# Altium PCB ControlBoard.PcbDoc (part 2 of 3) (continued)
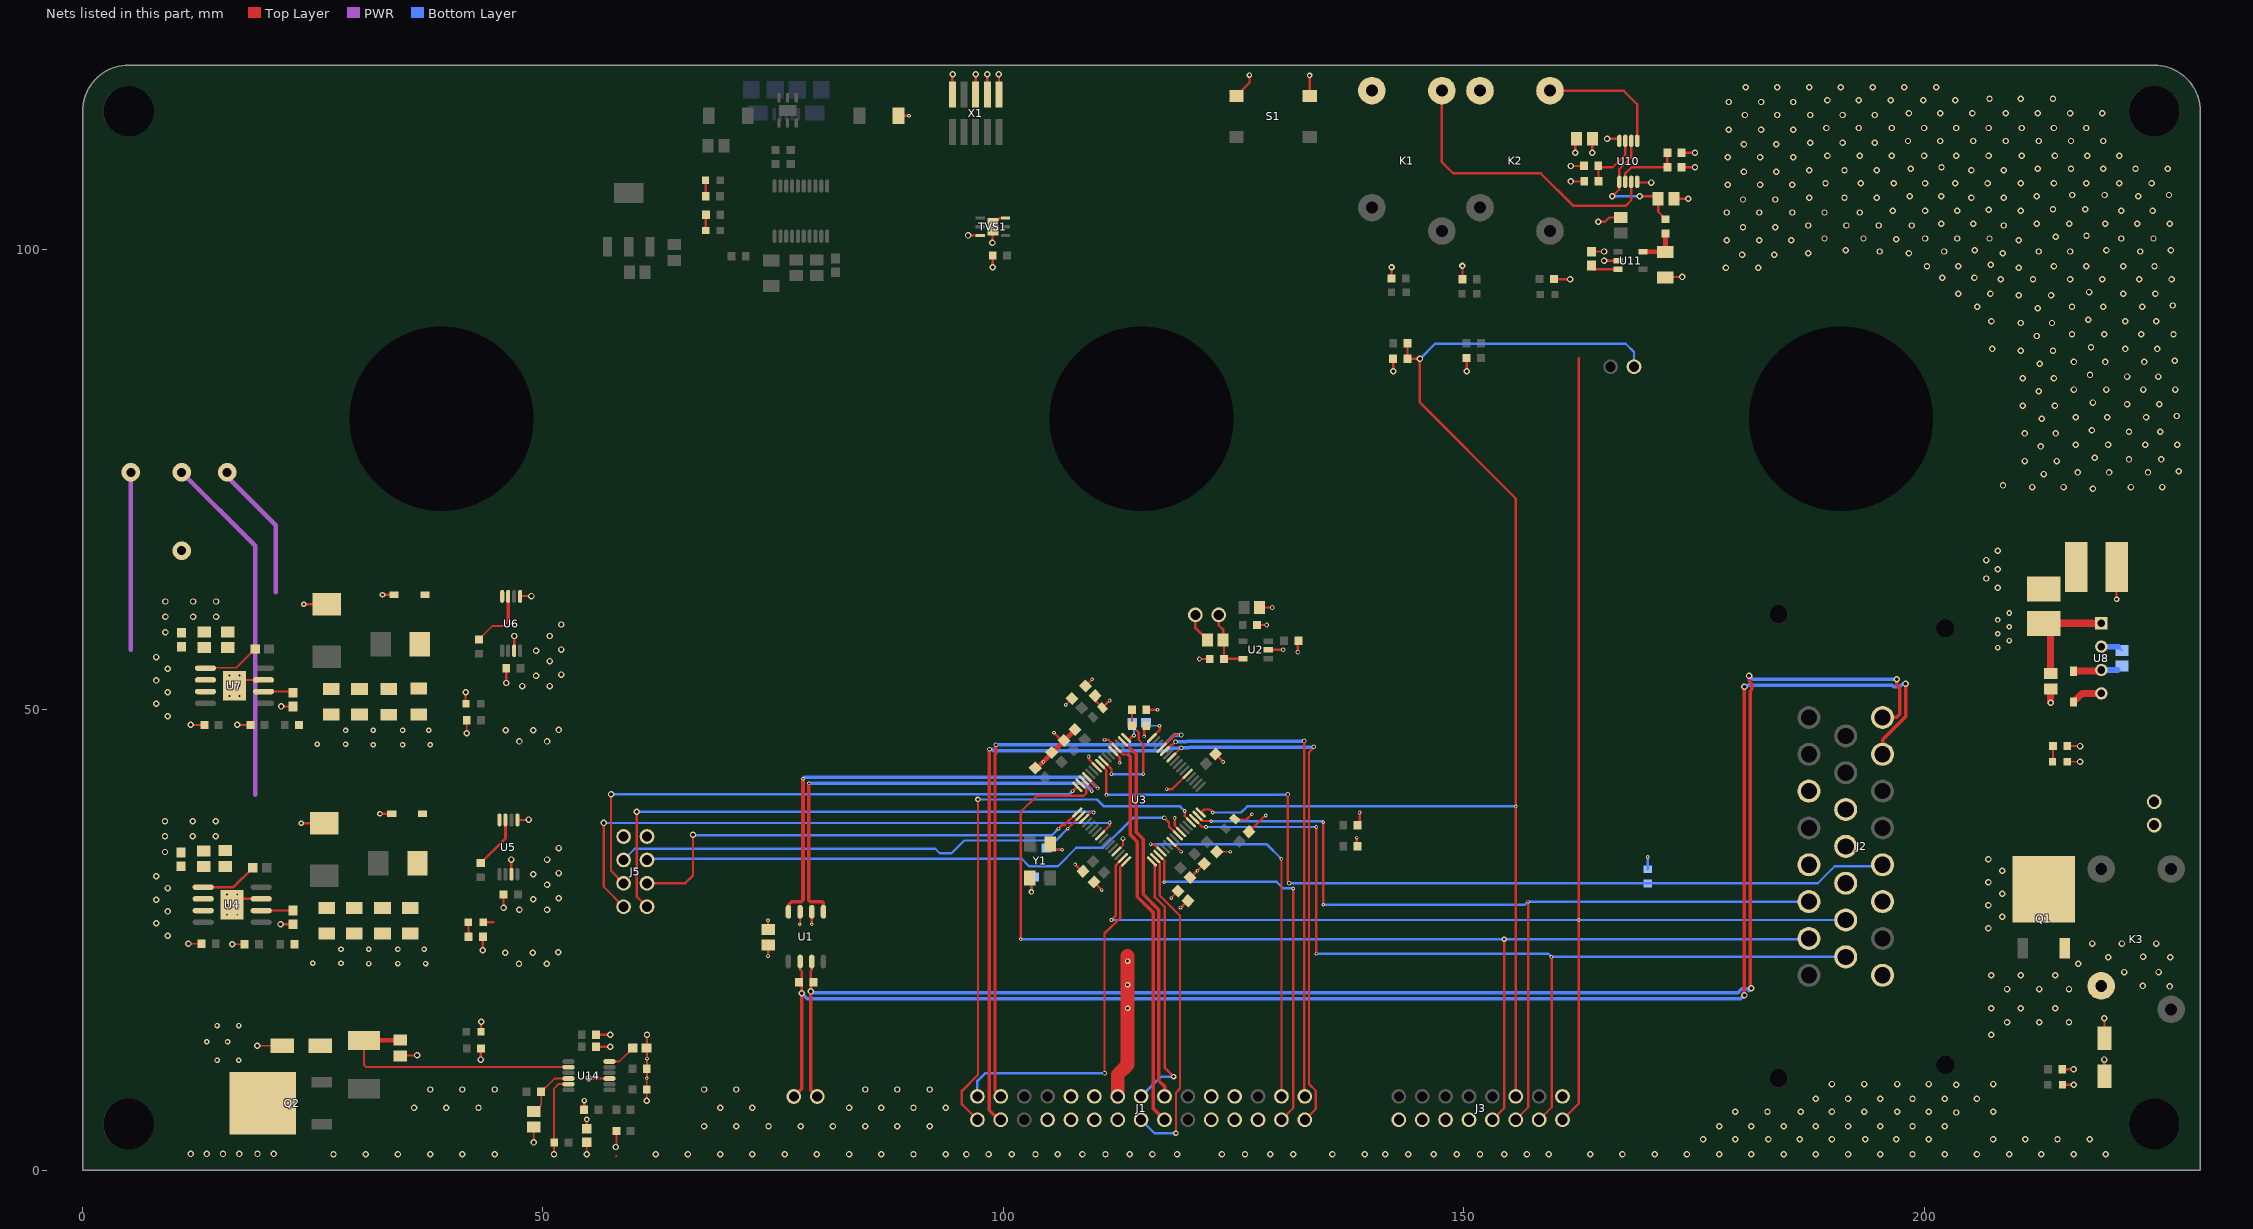
[diagram p4: the nets of this part, all layers, seen from the top]
## Part data (continued)
U13: library part FT231XS-R, "IC USB SERIAL FULL UART 20SSOP", Case/Package=SSOP, Manufacturer=FTDI, Max Operating Temperature=85°C, Max Supply Voltage=5.5V, Min Operating Temperature=-40°C, Min Supply Voltage=2.97V, Operating Supply Current=8mA, Operating Supply Voltage=5V, Package Quantity=2000, ComponentLink1Description=http://www.alliedelec.com/images/products/datasheets/bm/FTDI/70403932.pdf?src-supplier=Allied+Electronics, ComponentLink1URL=http://www.alliedelec.com/images/products/datasheets/bm/FTDI/70403932.pdf?src-supplier=Allied+Electronics, ComponentLink2Description=http://uk.rs-online.com/webdocs/1102/0900766b811020d3.pdf?src-supplier=RSComponents, ComponentLink2URL=http://uk.rs-online.com/webdocs/1102/0900766b811020d3.pdf?src-supplier=RSComponents, ComponentLink3Description=https://media.digikey.com/pdf/Data%20Sheets/FTDI%20Chip%20PDFs/X-Chip_Series_Errata.pdf?src-supplier=Digi-Key, ComponentLink3URL=https://media.digikey.com/pdf/Data%20Sheets/FTDI%20Chip%20PDFs/X-Chip_Series_Errata.pdf?src-supplier=Digi-Key, ComponentLink4Description=http://www.ftdichip.com/Support/Documents/DataSheets/ICs/DS_FT231X.pdf?src-supplier=Digi-Key, ComponentLink4URL=http://www.ftdichip.com/Support/Documents/DataSheets/ICs/DS_FT231X.pdf?src-supplier=Digi-Key, Data Rate=12Mbps, Height=0.059inch, Interface=UART,USB, Length=8.74mm, Manufacturer Part Number=FT231XS-R, Mount="Surface Mount", Number of Channels=1, Number of Pins=20, Packaging="Tape and Reel", Pricing 1="1=2.22, 25=2.15, 100=2.08, 250=1.88, 500=1.7, 1000=1.675 (USD)", Radiation Hardening=No, RoHS Compliant=Yes, Series="USBmadeEZ-UART, FT-X, X-Chip", Stock 1=54093, Supplier 1=Digi-Key, Supplier Part Number 1=768-1129-1-ND, Weight=0.016oz, Width=0.157inch
U14: library part LT4363CMS-2#PBF, "IC SURGE STOPPER HV 12-MSOP", Case/Package=MSOP, Clamping Voltage=27V, Manufacturer="Analog Devices / Linear Technology", Max Operating Temperature=70°C, Max Supply Voltage=80V, Min Operating Temperature=0°C, Min Supply Voltage=4V, Package Quantity=37, Supplier Part Number 1=LT4363CMS-2#PBF-ND, ComponentLink1Description=http://www.farnell.com/datasheets/1720292.pdf?src-supplier=Farnell, ComponentLink1URL=http://www.farnell.com/datasheets/1720292.pdf?src-supplier=Farnell, ComponentLink2Description=http://www.farnell.com/datasheets/1720292.pdf?src-supplier=Element14, ComponentLink2URL=http://www.farnell.com/datasheets/1720292.pdf?src-supplier=Element14, ComponentLink3Description=http://www.farnell.com/datasheets/1720292.pdf?src-supplier=Newark, ComponentLink3URL=http://www.farnell.com/datasheets/1720292.pdf?src-supplier=Newark, ComponentLink4Description=http://www.farnell.com/datasheets/1563218.pdf?src-supplier=Newark, ComponentLink4URL=http://www.farnell.com/datasheets/1563218.pdf?src-supplier=Newark, ComponentLink5Description=http://www.linear.com/docs/44087?src-supplier=Digi-Key, ComponentLink5URL=http://www.linear.com/docs/44087?src-supplier=Digi-Key, Lead Free="Lead Free", Manufacturer Part Number=LT4363CMS-2#PBF, Number of Circuits=1, Number of Pins=12, Packaging=Rail/Tube, Pricing 1="1=6.63, 10=5.954, 25=5.6288, 100=4.8781, 250=4.62796, 500=4.15266, 1000=3.54 (USD)", REACH SVHC="No SVHC", RoHS Compliant=Yes, Stock 1=1060, Supplier 1=Digi-Key, Working Voltage=80V
X1: library part CONN-JTAG, "CONN_JTAG_10pin .050 Connector Dual Header 10 Position Surface Mount", Colour=Black, Manufacturer=Samtec, Max Current Rating=1.75A, Max Operating Temperature=125°C, Min Operating Temperature=-55°C, Package Quantity=1, Supplier Part Number 1=SAM8796-ND, ComponentLink1Description=https://datasheet.ciiva.com/19461/2046846-19461026.pdf, ComponentLink1URL=https://datasheet.ciiva.com/19461/2046846-19461026.pdf, ComponentLink2Description=https://datasheet.ciiva.com/738/ftsh-1xx-xx-xxx-dv-xxx-mkt-738998.pdf, ComponentLink2URL=https://datasheet.ciiva.com/738/ftsh-1xx-xx-xxx-dv-xxx-mkt-738998.pdf, ComponentLink3Description=https://datasheet.ciiva.com/10245/ftsh-mt-10245273.pdf, ComponentLink3URL=https://datasheet.ciiva.com/10245/ftsh-mt-10245273.pdf, ComponentLink4Description=https://datasheet.ciiva.com/16657/ftsh-mt-16657371.pdf, ComponentLink4URL=https://datasheet.ciiva.com/16657/ftsh-mt-16657371.pdf, ComponentLink5Description=https://datasheet.ciiva.com/15195/getdatasheetpartid-133463-15195260.pdf, ComponentLink5URL=https://datasheet.ciiva.com/15195/getdatasheetpartid-133463-15195260.pdf, Connector Type="Male Pin", Contact Material=Bronze,Copper, Contact Mating Length=0.12inch, Contact Plating=Nickel,Gold, Depth=3.43mm, Height=3.3mm, Housing Colour=Black, Housing Material=Polymer, Lead Free="Lead Free", Length=15.2mm, Manufacturer Part Number=FTSH-105-01-F-DV-K, Mount="Surface Mount", Number of Contacts=10, Number of Positions=10, Number of Rows=2, Orientation=Straight, Packaging=Rail/Tube, Pitch=1.27mm, Pricing 1="1=2.9, 10=2.784, 100=2.32, 500=1.972, 1000=1.682, 5000=1.508 (USD)", Radiation Hardening=No, Row Spacing=0.05inch, Stock 1=18199, Supplier 1=Digi-Key, Termination=Solder
X2: library part CONN-USB, "CONN_USB - micro B USB 2.0 Receptacle Connector 5 Position Surface Mount, Right Angle, Horizontal", Colour=Black, Current Rating=1.8A, Flammability Rating="UL94 V-0", Insulation Resistance=1GR, Manufacturer="Amphenol FCI", Max Operating Temperature=85°C, Max Voltage Rating (AC)=100V, Min Operating Temperature=-55°C, Package Quantity=1400, Supplier Part Number 1=609-4613-1-ND, ComponentLink1Description=https://datasheet.ciiva.com/26853/getdatasheetpartid-418041-26853891.pdf, ComponentLink1URL=https://datasheet.ciiva.com/26853/getdatasheetpartid-418041-26853891.pdf, ComponentLink2Description=https://datasheet.ciiva.com/851/10118192-851112.pdf, ComponentLink2URL=https://datasheet.ciiva.com/851/10118192-851112.pdf, ComponentLink3Description=https://datasheet.ciiva.com/4598/10118192ac-197249-4598796.pdf, ComponentLink3URL=https://datasheet.ciiva.com/4598/10118192ac-197249-4598796.pdf, Connector Type=USB,Receptacle, Contact Material="Copper Alloy", Contact Plating=Nickel,Gold, Depth=5.57mm, Gender=Receptacle, Housing Material=Polymer, Lead Free="Lead Free", Length=7.86mm, Manufacturer Part Number=10118192-0001LF, Mount="Surface Mount,Horizontal", Number of Contacts=5, Number of Ports=1, Number of Terminals=5, Orientation="Right Angle", Packaging="Tape and Reel", Pitch=0.65mm, Pricing 1="1=0.46, 10=0.437, 25=0.3744, 50=0.318, 100=0.3056, 250=0.2744, 500=0.262 (USD)", Radiation Hardening=No, REACH SVHC="No SVHC", Stock 1=197826, Supplier 1=Digi-Key, Termination=Solder, USB Standard="USB 2.0", Voltage Rating=100V
Y1: "CRYSTAL 20.0000MHZ 18PF SMD", Manufacturer="ECS International", Supplier Part Number 1=XC2693CT-ND, Manufacturer Part Number=ECS-200-18-30B-AGN-TR, Pricing 1="1=0.69, 10=0.575, 50=0.5176, 100=0.46, 500=0.437 (USD)", Stock 1=2820, Supplier 1=Digi-Key
Z1 Z2 Z3: library part SZMMSZ4689T1G, "DIODE ZENER 5.1V 500MW SOD123", Case/Package=SOD-123-2, Manufacturer="ON Semiconductor", Max Operating Temperature=150°C, Max Power Dissipation=500mW, Max Reverse Leakage Current=10uA, Min Operating Temperature=-55°C, Package Quantity=3000, Supplier Part Number 1=SZMMSZ4689T1GOSCT-ND, Test Current=50uA, Tolerance=5%, Zener Voltage=5.1V, ComponentLink1Description=http://www.onsemi.com/pub/Collateral/MMSZ4678T1-D.PDF?src-supplier=Avnet, ComponentLink1URL=http://www.onsemi.com/pub/Collateral/MMSZ4678T1-D.PDF?src-supplier=Avnet, ComponentLink2Description=http://www.onsemi.com/pub/Collateral/MMSZ4678T1-D.PDF?src-supplier=Digi-Key, ComponentLink2URL=http://www.onsemi.com/pub/Collateral/MMSZ4678T1-D.PDF?src-supplier=Digi-Key, Contact Plating=Tin,Matte, Element Configuration=Single, ESD Protection=Yes, Height=1.25mm, Lead Free="Lead Free", Length=2.84mm, Manufacturer Part Number=SZMMSZ4689T1G, Number of Pins=2, Packaging="Tape and Reel", Power Dissipation=500mW, Pricing 1="1=0.37, 10=0.274, 100=0.1551, 500=0.10272, 1000=0.07875 (USD)", Radiation Hardening=No, REACH SVHC="No SVHC", RoHS Compliant=Yes, Series=-, Stock 1=59493, Supplier 1=Digi-Key, Voltage Tolerance=5%, Width=1.8mm
Z4: library part 1SMA5929BT3G, "Diode Zener Single 15V 5% 500mW 2-Pin SMA T/R", Breakdown Voltage=15.75V, Case/Package=SMA, Forward Voltage=1.5V, Manufacturer="ON Semiconductor", Max Operating Temperature=150°C, Max Power Dissipation=1.5W, Max Reverse Current=500nA, Min Operating Temperature=-65°C, Package Quantity=1, Power Dissipation=500mW, Supplier Part Number 1=1SMA5929BT3GOSCT-ND, Test Current=25mA, Tolerance=5%, Zener Current=100mA, ComponentLink1Description=http://www.jameco.com/Jameco/Products/ProdDS/1307506.pdf?src-supplier=Jameco, ComponentLink1URL=http://www.jameco.com/Jameco/Products/ProdDS/1307506.pdf?src-supplier=Jameco, ComponentLink2Description=http://www.farnell.com/datasheets/86090.pdf?src-supplier=Element14, ComponentLink2URL=http://www.farnell.com/datasheets/86090.pdf?src-supplier=Element14, ComponentLink3Description=http://www.onsemi.com/pub/Collateral/1SMA5913BT3-D.PDF?src-supplier=Avnet, ComponentLink3URL=http://www.onsemi.com/pub/Collateral/1SMA5913BT3-D.PDF?src-supplier=Avnet, ComponentLink4Description=http://www.onsemi.com/pub_link/Collateral/1SMA5913BT3-D.PDF?src-supplier=Future+Electronics, ComponentLink4URL=http://www.onsemi.com/pub_link/Collateral/1SMA5913BT3-D.PDF?src-supplier=Future+Electronics, ComponentLink5Description=https://www.verical.com/server-webapp/html/getDatasheet?partID=92644&src-supplier=Verical, ComponentLink5URL=https://www.verical.com/server-webapp/html/getDatasheet?partID=92644&src-supplier=Verical, ComponentLink6Description=http://www.onsemi.com/pub/Collateral/1SMA5913BT3-D.PDF?src-supplier=Avnet+Europe, ComponentLink6URL=http://www.onsemi.com/pub/Collateral/1SMA5913BT3-D.PDF?src-supplier=Avnet+Europe, ComponentLink7Description=https://www.onsemi.com/pub/Collateral/1SMA5913BT3-D.PDF?src-supplier=Digi-Key, ComponentLink7URL=https://www.onsemi.com/pub/Collateral/1SMA5913BT3-D.PDF?src-supplier=Digi-Key, ComponentLink8Description=http://www.farnell.com/datasheets/1576139.pdf?src-supplier=Element14, ComponentLink8URL=http://www.farnell.com/datasheets/1576139.pdf?src-supplier=Element14, ComponentLink9Description=http://www.mouser.com/ds/2/308/1SMA5913BT3-D-108672.pdf?src-supplier=Mouser, ComponentLink9URL=http://www.mouser.com/ds/2/308/1SMA5913BT3-D-108672.pdf?src-supplier=Mouser, Contact Plating=Tin,Matte, Element Configuration=Single, ESD Protection=Yes, Halogen Free="Halogen Free", Impedance=9R, Lead Free="Lead Free", Manufacturer Part Number=1SMA5929BT3G, Material=Plastic, Max Reverse Leakage Current=500nA, Number of Pins=2, Packaging="Tape and Reel", Power Rating=1.5W, Pricing 1="1=0.5, 10=0.374, 100=0.2328, 500=0.1593, 1000=0.12254, 2000=0.11028 (USD)", Radiation Hardening=No, REACH SVHC="No SVHC", Stock 1=16404, Supplier 1=Digi-Key, Voltage Rating (DC)=15V, Voltage Tolerance=5%, Working Voltage=15V, Zener Voltage=15V

## Free pads (board coordinates)
  round 5.5 hole 5.5 unplated: 0(5,5)
  round 5.5 hole 5.5: 0(5,115) 0(225,5) 0(225,115)
  round 0 hole 20: 0(39,81.6) 0(115,81.6) 0(191,81.6)

## Via types
v1: diameter 0.7, hole 0.4, Top Layer to Bottom Layer, 574 vias
v2: diameter 0.4, hole 0.2, Top Layer to Bottom Layer, 116 vias
v3: diameter 0.6, hole 0.3, Top Layer to Bottom Layer, 56 vias
v4: diameter 0.5, hole 0.3, Top Layer to Bottom Layer, 28 vias
v5: diameter 0.5, hole 0.2, Top Layer to Bottom Layer, 12 vias
v6: diameter 2, hole 1, Top Layer to Bottom Layer, 4 vias
v7: diameter 0.7, hole 0.3, Top Layer to Bottom Layer, 2 vias

## Nets (pads, with @x,y where several pads share a name; then routed paths per layer and width w, separated by ;. In a path a pad name is that pad's centre, name@x,y a point inside that pad or via, vN(x,y) a via of type N, cw(c..) or ccw(c..) an arc to the next point about the centre after c; other vN are vias at no path point)
3.5V: R53.1 R54.2 U10.3 | length 6.7
  Top Layer w0.254: R54.2@164.654,107.4 R53.1@164.654,108.9 ; R53.1@164.654,109.049 R53.1@164.654,108.925 ; U10.3@167.554,111.775 167.554,110.275 166.204,108.925 R53.1@164.654,108.925 ; R53.1@164.654,108.9 R53.1@164.654,108.925 ; R53.1@164.654,108.9 164.629,108.925 R53.1@164.654,108.925
3.15V: R30.1 R31.2 U10.6 | length 7.4
  Top Layer w0.254: U10.6@167.554,107.325 167.554,108.249 168.23,108.925 R30.1@172.129,108.925 R31.2@172.129,110.5
3V3: C1.2 C16.2 C18.2 C20.2 D8.1 FB1.1 FB2.1 J1.17 R5.1 R6.1 R7.2 R8.2 R9.2 R11.2 R14.2 R22.2 TVS1.6 U1.3 U3.16 U6.7 X1.1 | length 63.4
  Top Layer w0.154: v2(77.9,26.7) 77.928,26.728 U1.3@77.928,28.045 ; U1.3@77.902,28.121 U1.3@77.928,28.095
  Top Layer w0.2: v1(41.6,51.9) 41.6,50.685 D8.1@41.65,50.635 ; R22.2@43.049,57.625 44.524,59.1 45.724,59.1 46.224,59.6
  Top Layer w0.254: v2(74.447,27.13) 74.447,26.13 C1.2@74.457,26.12 ; v1(96.175,101.507) TVS1.6@97.505,101.507 ; v1(98.85,98.062) R5.1@98.85,99.325 ; v1(99.5,119) 99.54,118.96 X1.1@99.54,116.81 ; C16.2@109.98,51.515 109.98,50.995 FB1.1@110.763,50.213 v2(111.55,51) ; R11.2@115.525,50 v2(116.75,50) ; U3.16@116.138,46.924 116.976,47.762 v2(116.976,48.25) ; v2(119.25,28.5) 119.3,28.5 C18.2@120.05,29.25 ; v4(121.3,55.5) R8.2@122.425,55.5 ; FB2.1@125.136,38.064 126.414,38.064 v2(126.995,38.645) ; R6.1@127.55,59.2 v4(128.6,59.2) ; v4(132,56.25) 132,57.45 R7.2@132.05,57.5 ; R9.2@138.515,37.4 138.7,37.585 v2(138.7,38.828)
  Top Layer w0.4: 46.224,59.6 U6.7@46.224,62.3
  Top Layer w1.5: J1.17@112.43,8 112.43,10.355 113.5,11.425 113.5,23.25
  PWR w0.5: v6@15.7,75.767 15.7,75.3 20.989,70.011 20.989,62.75
  Bottom Layer w0.2: C20.2@115.65,48.6 115.3,48.25 v2(116.976,48.25)
  Bottom Layer w0.254: R14.2@170,32.67 v2(170,33.995)
  other v1: 47.451,46.549 50.451,46.549 45.951,47.756 48.951,47.756 51.701,47.799 47.75,52.563 50.75,52.563 49.25,53.675 52,53.813 50.75,55.282 49.25,56.394 52,56.532 50.75,58 52,59.25
  other v3: 113.5,17.57 113.5,20.134 113.5,22.699
  other v6: 15.7,75.775
3V3-SUPP: C37.2 C54.2 C55.2 C56.2 L2.2 R21.2 U6.8 Z3.1
5V: C31.2 D1.1 J1.7 J1.19 J2.11 J2.13 J3.15 J5.1 L3.1 R15.2 U5.7 | length 45.8
  Top Layer w0.2: D1.1@43.475,26.94 D1.1@43.5,26.915
  Top Layer w0.254: R15.2@43.25,33.345 45.925,36.02 ; D1.1@43.5,26.915 44.626,26.915
  Top Layer w0.3: 45.925,36.02 U5.7@45.925,38.02
  PWR w0.5: v6@10.25,75.75 10.8,75.75 18.75,67.8 18.75,40.775
  other v1: 47.4,22.393 50.4,22.393 45.9,23.6 48.9,23.6 51.65,23.643 47.451,28.283 50.451,28.283 48.951,29.395 51.701,29.533 50.451,31.002 48.951,32.115 51.701,32.252 50.451,33.72 51.701,34.97 208,63.25 206.75,64.25 208,65.25 206.75,66.25 208,67.25
  other v6: 10.75,75.775
5V-SUPP: C25.2 C26.2 C27.2 C29.2 L1.2 R17.1 U5.8 Z1.1
7SEG_1: J5.5 U3.35 | length 61.1
  Top Layer w0.254: v1(60.2,38.931) 60.2,29.7 J5.5@61.3,28.6 ; 109.273,38.645 109.456,38.828 v2(109.812,38.828)
  Bottom Layer w0.254: v1(60.2,38.931) 67.3,38.931 109.709,38.931 v2(109.812,38.828)
7SEG_2: J5.4 U3.40 | length 66.8
  Top Layer w0.254: v1(56.6,37.7) 56.6,30.76 J5.4@58.76,28.6 ; U3.40@110.511,36.359 111.55,37.398 v2(111.55,37.75)
  Bottom Layer w0.254: v1(56.6,37.7) 111.441,37.7 111.47,37.67 v2(111.55,37.75)
12V: C22.1 C23.1 C24.2 C33.1 C34.1 C36.2 C51.2 D7.1 J1.9 J1.21 R39.1 R41.2 U4.2 U4.3 U7.2 U7.3 U14.2 Z4.1 | length 50.8
  Top Layer w0.2: R39.1@30.575,14.075 30.575,11.425 30.816,11.184 52.764,11.184 U14.2@52.775,11.172
  Top Layer w0.254: D7.1@43.275,15 43.275,16.075 v1(43.3,16.1) ; R41.2@55.775,13.4 v1(57.3,13.4)
  Top Layer w0.5: R39.1@30.575,14.075 34.475,14.075 C51.2@34.5,14.1
  PWR w0.5: 5.25,56.5 v6@5.25,75.75
  other v1: 67.5,4.75 71,4.75 74.5,4.75 78,4.75 81.5,4.75 85,4.75 88.5,4.75 92,4.75 36,6.75 39.5,6.75 43,6.75 69.25,6.75 72.75,6.75 83.25,6.75 86.75,6.75 90.25,6.75 93.75,6.75 37.75,8.75 41.25,8.75 44.75,8.75 67.5,8.75 71,8.75 85,8.75 88.5,8.75 92,8.75 9.25,25.45 8,26.815 9.25,28.085 8,29.355 9.25,30.625 8,31.895 9.25,49.27 8,50.635 9.25,51.905 8,53.175 9.25,54.445 8,55.715
  other v3: 14.61,11.935 16.96,11.935 13.495,13.935 15.75,13.935 14.61,15.685 16.96,15.685
  other v6: 5.25,75.775
A-HI: J1.3 U3.52 | length 42.2
  Top Layer w0.254: v2(116,35.4) 116.384,35.4 U3.52@117.199,34.585 ; J1.3@130.21,8 v2@130.21,33.8
  PWR w0.254: v2(130.2,33.8) v2@130.21,33.8
  Bottom Layer w0.254: v2(116,35.4) 128.6,35.4 v2(130.2,33.8)
A-LO: J1.4 U3.51 | length 43.3
  Top Layer w0.254: U3.51@116.851,34.237 117.484,33.604 v2(117.484,31.26) ; J1.4@130.21,5.46 131.5,6.75 v2(131.5,30.587)
  Bottom Layer w0.254: v2(117.484,31.26) 117.444,31.3 129.7,31.3 130.413,30.587 v2(131.5,30.587)
A_CLK: J2.15 J3.14 U3.62 | length 103.3
  Top Layer w0.254: U3.62@120.734,38.121 121.605,37.25 v2(122.025,37.25) ; v2(134,23.5) v2(134,37.25) ; J3.14@158.2,5.46 159.559,6.819 v2@159.559,23.154
  Bottom Layer w0.254: v2(122.025,37.25) v2(134,37.25) ; v2(134,23.5) 159.204,23.5 v2(159.55,23.154) J2.15@191.5,23.154
A_SIMO: J7.2 R2.1 R29.2 | length 16.1
  Top Layer w0.254: R2.1@151.875,89.8 R29.2@151.875,88.2 165.01,88.2 J7.2@165.96,87.25
A_SIMO: J2.14 J3.16 U3.47 | length 170.5
  Top Layer w0.254: v2(111.754,27.154) 112.2,27.6 112.2,33.087 U3.47@112.991,33.878 ; J3.16@160.74,5.46 162.5,7.22 v2(162.5,27.154) 162.5,88.2
  Bottom Layer w0.254: v2(111.754,27.154) v2(162.5,27.154) J2.14@191.5,27.154
A_SOMI: J2.21 J3.12 U3.63 | length 100.1
  Top Layer w0.254: U3.63@121.088,38.474 121.654,37.908 v2@122.654,37.908 ; v2(134.75,28.82) v2(134.75,37.779) ; J3.12@155.66,5.46 157.019,6.819 157.019,29.135 v2(157,29.154)
  Bottom Layer w0.254: v2(122.59,37.889) 134.639,37.889 v2(134.75,37.779) ; v2(134.75,28.82) 156.666,28.82 v2(157,29.154) J2.21@187.5,29.154
A_STE: J2.22 J3.10 U3.31 | length 129.9
  Top Layer w0.254: v2(101.9,25.054) 101.906,25.061 101.906,38.906 103.646,40.646 108.746,40.646 109,40.9 109,41.369 U3.31@108.395,41.974 ; J3.10@153.12,5.46 154.4,6.74 v3(154.4,25.054)
  Bottom Layer w0.254: v2(101.9,25.054) 187.391,25.054 187.446,25 J2.22@187.5,25.054 ; J2.22@186.769,25.885 J2.22@187.5,25.154
AIR+RELAY: K1.1 U10.7 | length 32.5
  Top Layer w0.254: K1.1@147.629,117.227 147.629,109.5 148.879,108.25 158.379,108.25 161.879,104.75 167.629,104.75 168.204,105.325 U10.7@168.204,107.325
AIRpRELAY: K2.1 U10.1 | length 14.1
  Top Layer w0.254: K2.1@159.379,117.227 167.372,117.227 168.854,115.745 U10.1@168.854,111.775
B-HI: J1.16 U3.50 | length 35.6
  Top Layer w0.254: U3.50@116.492,33.878 116.976,33.394 116.976,29.843 119.194,27.625 119.194,8.846 118.75,8.402 v3(118.75,4)
  Bottom Layer w0.254: J1.16@114.97,5.46 116.43,4 v3(118.75,4)
B-LO: J1.15 U3.49 | length 28.8
  Top Layer w0.254: U3.49@116.132,33.519 116.468,33.184 116.468,29.632 117.552,28.548 117.552,11.098 v3(118.5,10.15)
  Bottom Layer w0.254: J1.15@114.97,8 117.12,10.15 v3(118.5,10.15)
BCD_A: J5.7 U3.57 | length 61.3
  Top Layer w0.254: v4(117.5,38.25) 118,37.75 118,37.319 U3.57@118.966,36.353
  Bottom Layer w0.254: J5.7@61.3,33.68 61.42,33.8 67.3,33.8 102.002,33.8 102.802,33 105.93,33 107.93,35 110.836,35 114.086,38.25 v4(117.5,38.25)
BCD_B: J5.3 U3.32 | length 61.2
  Top Layer w0.254: v1(57.4,40.8) 57.4,32.5 J5.3@58.76,31.14 ; v2(107.52,41.154) 107.575,41.154 U3.32@108.02,41.599
  Bottom Layer w0.254: v1@57.4,40.831 107.197,40.831 v2(107.52,41.154)
BCD_C: J5.6 U3.33 | length 52.5
  Top Layer w0.254: J5.6@61.3,31.14 65.44,31.14 66.3,32 v1(66.3,36.4) ; v2@106.015,37.079 v2(106,37.079) 106.381,37.46 106.663,37.46 U3.33@108.036,38.833
  Bottom Layer w0.254: v1(66.3,36.4) 66.331,36.369 105.29,36.369 v2(106,37.079)
BCD_D: J5.2 U3.34 | length 52
  Top Layer w0.254: v2(107,37.079) U3.34@108.395,38.474
  Bottom Layer w0.254: J5.2@58.76,33.68 59.98,34.9 92.6,34.9 93.1,34.4 94.37,34.4 95.77,35.8 105.721,35.8 v2(107,37.079)
C-HI: J1.29 U3.48 | length 39.8
  Top Layer w0.254: v4(111,10.5) 111,25.682 112.708,27.39 112.708,32.876 U3.48@113.351,33.519
  Bottom Layer w0.254: J1.29@97.19,8 97.19,9.679 98.011,10.5 v4(111,10.5)
C-LO: J1.30 U3.61 | length 60.7
  Top Layer w0.254: J1.30@97.19,5.46 95.5,7.15 95.5,8.6 97.25,10.35 v3(97.25,40.25) ; v2(119.706,39) 119.706,38.43 U3.61@120.375,37.761
  Bottom Layer w0.254: v3(97.25,40.25) 110.18,40.25 110.93,39.5 119.206,39.5 v2(119.706,39)
CAN_MCU_N: U1.4 U3.29 | length 49.7
  Top Layer w0.254: U3.29@109.108,42.687 110.25,41.545 v2(110.25,41.45)
  Top Layer w0.381: U1.4@76.658,28.045 U1.4@76.658,28.095 ; U1.4@76.7,28.384 76.7,28.8 77.039,29.139 78.039,29.139 78.246,29.346 78.246,42.263 78.25,42.267 v2(78.25,42.5)
  Bottom Layer w0.381: v2(78.25,42.5) 78.385,42.635 109.065,42.635 v2(110.25,41.45)
CAN_MCU_P: U1.1 U3.30 | length 47.9
  Top Layer w0.254: U3.30@108.749,42.328 109.6,41.477 v2(109.6,41.154)
  Top Layer w0.381: v2(78.881,42) 78.881,29.319 79.061,29.139 80.318,29.139 80.468,28.989 U1.1@80.468,28.045
  Bottom Layer w0.381: v2(78.881,42) 108.754,42 v2(109.6,41.154)
CAN_OUT_N: J2.2 J6.1 R3.1 U1.6 | length 178
  Top Layer w0.254: U1.6@77.928,22.645 77.928,21.768 78.1,21.596 v1(78.1,19.2)
  Top Layer w0.381: J6.1@77.25,7.99 78.1,8.84 v1(78.1,19.2) ; v1(180.5,19) v1(180.5,52.5) ; J2.2@195.5,45.154 195.5,46.758 198,49.258 v1(198,52.829)
  Bottom Layer w0.381: v1(78.1,19.2) 78.7,18.6 180.1,18.6 v1(180.5,19) ; v1(180.5,52.5) 180.62,52.38 180.94,52.7 181.102,52.7 181.137,52.665 196.535,52.665 196.695,52.505 197.353,52.505 197.676,52.829 v1(198,52.829)
CAN_OUT_P: J2.1 J6.2 R3.2 U1.7 | length 173.9
  Top Layer w0.254: v1(79.1,19.4) 79.1,21.669 79.198,21.768 U1.7@79.198,22.645
  Top Layer w0.381: v1(79.1,19.4) 79.1,8.68 J6.2@79.79,7.99 ; v1(181,53.7) 181,53.124 181.295,52.829 181.295,52.171 181.135,52.011 181.135,19.865 v1(181.25,19.75) ; J2.1@195.5,49.154 196.998,49.154 197.365,49.521 197.365,52.34 197.024,52.682 v1(197.024,53.3)
  Bottom Layer w0.381: v1(79.1,19.4) 79.265,19.235 179.805,19.235 179.805,19.288 180.212,19.695 180.788,19.695 180.991,19.491 v1(181.25,19.75) ; v1(181,53.7) 181.4,53.3 v1(197.024,53.3)
CON-GND: J2.8 Q1.2
  other v1: 207,26.25 208.5,27.5 207,28.75 208.5,30 207,31.25 208.5,32.5 207,33.75
CTR-TEMP: R11.1 R12.2 U3.24 | length 12.8
  Top Layer w0.254: U3.24@110.87,44.449 111.754,43.565 v2(111.754,43) ; R11.1@113.975,50 R12.2@113.975,48.25 114.719,47.506 114.719,46.731 115.2,46.25 v2(115.2,43)
  Bottom Layer w0.254: v2(111.754,43) v2(115.2,43)
GND: C1.1 C2.1 C3.1 C4.1 C5.1 C6.1 C7.1 C8.1 C9.1 C10.1 C11.1 C12.1 C13.1 C14.1 C15.1 C16.1 C17.1 C18.1 C19.1 C20.1 C22.2 C23.2 C24.1 C25.1 C26.1 C27.1 C29.1 C30.1 C31.1 C33.2 C34.2 C35.1 C36.1 C37.1 C50.1 C51.1 C52.1 C53.1 C54.1 C55.1 C56.1 C57.1 D2.2 D9.2 FB4.2 J1.6 J1.8 J1.10 J1.18 J1.20 J1.22 J1.24 J2.6 J2.12 J2.18 J2.20 J3.2 J3.4 J3.6 J3.8 J5.8 JP2.1 Q1.3 R10.2 R12.1 R16.1 R18.1 R19.1 R20.1 R23.1 R24.1 R25.1 R26.1 R38.1 R42.1 R45.1 R46.2 R48.1 R49.1 S1.2 TVS1.3 TVS1.7 TVS3.2 U1.2 U2.2 U3.5 U3.17 U3.21 U3.26 U3.45 U3.55 U3.58 U4.7 U4.9 U5.3 U5.5 U6.3 U6.5 U7.7 U7.9 U8.2 U14.9 X1.3 X1.5 X1.9 Y1.2 Y1.4 Z1.2 Z3.2 Z4.2 | length 133.4
  Top Layer w0.2: C36.1@10.7,58.4 C36.1@10.75,58.35 ; v1(11.5,24.585) R18.1@12.905,24.585 R18.1@13.225,24.585 ; v1(11.75,48.35) 13.217,48.35 R24.1@13.225,48.342 ; v1(16.25,24.522) R20.1@17.6,24.522 ; U7.9@16.5,52.6 17.135,53.235 U7.7@19.65,53.235 ; v1(16.8,48.35) 18.217,48.35 R26.1@18.225,48.342 ; v1(18.975,13.5) Z4.2@21.7,13.5 ; v1@21.7,50.35 C57.1@22.85,50.35 C57.1@23.225,50.35 ; D9.2@26.459,61.491 D9.2@26.5,61.45 ; C51.1@34.325,12.45 v1@36.15,12.45 ; v1(41.725,47.425) R25.1@41.725,48.85 ; v1(43.475,23.862) v1@43.527,23.862 ; v1(49,3) C50.1@49,4.65 C50.1@49,4.7 ; v1(55,9.954) 57.214,9.954 U14.9@57.225,9.942 ; v1@61.275,7.425 v1(61.275,7.512) R48.1@61.275,8.75 v2(61.275,9.954) 61.3,9.979 v2(61.3,12.1) v1(61.3,14.7) ; Y1.4@105.1,35.421 105.1,34.9 105.2,34.8 v2(106.4,34.8) ; v2(106.78,50.515) C17.1@107.468,51.203 ; C11.1@107.791,47.83 C11.1@107.83,47.83 ; C13.1@108.541,32.459 C13.1@108.67,32.459 ; C16.1@108.919,52.576 v2(109.65,53.306) ; C8.1@109.87,31.23 C8.1@109.87,31.27 ; U3.45@112.284,34.585 112.317,34.585 113,35.268 v4(113,36) ; C14.1@123.185,34.57 124.635,34.57 v2(124.65,34.585) ; v3(220.912,62) C31.1@220.912,65.5
  Top Layer w0.254: U4.9@16.25,28.82 16.885,29.455 U4.7@19.4,29.455 ; v1(21.5,26.685) C30.1@22.85,26.685 ; v3(23.75,37.67) D2.2@26.25,37.67 ; v3(24.025,61.45) 26.418,61.45 D9.2@26.459,61.491 ; v3(32.3,38.7) Z1.2@33.575,38.7 ; v3(32.575,62.48) Z3.2@33.825,62.48 ; v1(43.25,12) 43.25,13.18 R42.1@43.275,13.205 ; v1(43.475,23.862) 43.475,25.13 43.575,25.23 R19.1@43.475,25.33 ; v1(45.725,28.5) R16.1@45.725,29.92 ; v1(46.024,52.9) R23.1@46.024,54.5 ; U5.3@46.575,32.12 v1(46.575,33.72) ; U6.3@46.874,56.4 v1(46.874,58) ; U5.5@47.225,38.02 48.407,38.02 v1(48.451,38.064) ; U6.5@47.524,62.3 47.568,62.344 v1(48.75,62.344) ; R49.1@54.475,6.54 v3(54.475,7.54) ; C52.1@54.751,4.5 v3(54.751,5.5) ; R46.2@55.775,14.69 57.29,14.69 v1(57.3,14.7) ; v2(74.447,23.23) 74.457,23.24 C1.1@74.457,24.42 ; v2(79.198,26.685) U1.2@79.198,28.045 ; FB4.2@88.62,114.5 v2(89.75,114.5) ; X1.9@94.46,116.81 94.46,118.96 v1(94.5,119) ; X1.5@97,116.81 v1(97,119) ; X1.3@98.27,116.81 v1(98.27,119) ; v1(98.825,100.727) 98.825,102.407 TVS1.7@98.875,102.457 98.875,102.657 99.625,103.407 TVS1.3@100.245,103.407 ; Y1.2@102.9,31.721 103.06,31.561 v3(103.06,30.2) ; C12.1@103.47,43.665 C12.1@103.665,43.665 ; v2(105.5,47.5) 106.332,46.668 C7.1@106.59,46.668 ; v2(107.8,33.2) C13.1@108.541,32.459 ; v2(109.273,44.913) 109.273,44.632 U3.26@110.163,43.742 ; C8.1@109.87,31.23 v2(110.7,30.4) ; U3.21@111.931,45.51 112.638,44.803 v2(112.638,44.23) ; U3.17@113.348,46.927 113.587,46.687 114.1,47.2 v2(114.2,47.2) ; v2(115.3,47.1) 115.3,48.025 R12.1@115.525,48.25 ; v2(117.74,41.369) 118.362,41.369 U3.5@120.027,43.035 ; v2(118.25,29.533) 118.25,29.571 C18.1@118.989,30.311 ; U3.55@118.259,35.646 v2(119.32,34.585) ; v2(118.613,38.25) 118.613,37.414 U3.58@119.32,36.706 ; C15.1@120.291,31.759 120.32,31.759 C9.1@121.83,33.27 ; JP2.1@120.86,60.3 120.86,58.887 C3.1@122.179,57.568 ; C6.1@123.061,45.187 123.879,44.369 v2(123.879,44.308) ; S1.2@125.322,116.678 126.737,118.094 v3(126.737,118.928) ; C19.1@126.697,36.738 128.459,38.5 v2(128.5,38.5) ; C2.1@127.85,61.1 v4(129.2,61.1) ; U2.2@128.775,56.5 v4(130.4,56.5) ; S1.2@133.272,116.678 v3(133.272,118.888) ; R10.2@138.279,35.097 138.46,35.278 138.4,35.338 v2(138.4,36.1) ; R38.1@215.021,10.95 v1(216.246,10.95) ; Q1.3@215.25,24.07 Q1.3@215.28,24.1 ; TVS3.2@219.5,10.098 TVS3.2@219.594,10.192 v1(219.594,12)
  Top Layer w0.5: C12.1@103.665,43.665 v2(104.35,44.35) C11.1@107.83,47.83
  Top Layer w0.8: C12.1@103.43,43.665 C12.1@103.47,43.665
  Bottom Layer w0.2: C5.1@104.7,34.97 104.87,34.8 v2(106.4,34.8) ; C20.1@113.95,48.6 114.2,48.35 v2(114.2,47.2) ; C35.1@221.091,56.85 C35.1@221.5,56.441
  Bottom Layer w0.254: v3(103.06,30.2) 103.06,31.521 C4.1@103.36,31.821
  Bottom Layer w0.6: U8.2@219.262,56.85 C35.1@221.091,56.85
  other v1: 36.325,12.45 207.292,14.69 209.021,16.065 212.521,16.065 215.75,16.065 207.292,17.57 210.521,17.57 214.25,17.57 209.021,19.656 212.521,19.656 215.75,19.656 226.684,19.94 223.75,19.995 207.292,21.161 210.521,21.161 214.25,21.161 221.75,21.5 225.479,21.5 216.75,22.42 220,23.095 226.729,23.095 223.795,23.149 218.271,24.6 221.5,24.6 225.229,24.6 8.95,34.539 8.95,36.239 11.95,36.239 14.45,36.239 8.95,37.889 11.95,37.889 14.45,37.889 21.575,50.35 9,58.4 9,60.1 12,60.1 14.5,60.1 9,61.75 12,61.75 14.5,61.75
  other v2: 121.075,32.514
  other v3: 31.077,22.42 34.25,22.42 37.25,22.42 25,22.47 28.067,22.47 28.067,23.97 31.077,23.977 34.25,23.977 37.095,23.977 31.577,46.2 34.75,46.2 37.75,46.2 25.5,46.25 28.567,46.25 28.567,47.75 31.577,47.756 34.75,47.756 37.595,47.756 208,56.75 209.25,57.5 208,58.25 209.25,59 208,59.75 209.25,60.5
  other v5: 15.7,27.72 16.8,27.72 15.7,28.82 16.8,28.82 15.7,29.92 16.8,29.92 15.95,51.5 17.05,51.5 15.95,52.6 17.05,52.6 15.95,53.7 17.05,53.7
  other v6: 10.75,67.275
GPIO6: J3.11 J7.1 R4.1 R50.2 U3.64 | length 148.2
  Top Layer w0.254: U3.64@121.441,38.828 121.478,38.828 121.804,39.154 122.423,39.154 v2(122.75,38.828) ; R4.1@143.91,89.8 143.893,89.783 R50.2@143.893,88.1 v1(145.25,88.1) 145.25,83.355 155.66,72.945 v2(155.66,39.5) J3.11@155.66,8
  Bottom Layer w0.254: v2(122.75,38.828) 125.828,38.828 126.5,39.5 v2(155.66,39.5) ; v1(145.25,88.1) 146.9,89.75 167.609,89.75 168.5,88.859 J7.1@168.5,87.25
Isns-A_N: J1.2 U3.10 | length 55.9
  Top Layer w0.254: J1.2@132.75,5.46 133.931,6.641 133.931,8.619 133.196,9.354 133.196,45.34 v4(133.725,45.969)
  Bottom Layer w0.381: 119.328,45.854 120.154,45.854 120.236,45.936 133.692,45.936 v4(133.725,45.969)
Isns-A_P: J1.1 U3.12 | length 54.4
  Top Layer w0.254: U3.12@117.552,45.51 118.217,46.175 118.35,46.175 118.675,46.5 v4(118.7,46.5) ; v4(132.679,46.604) 132.745,46.604 132.8,46.55 132.688,46.438 J1.1@132.688,8
  Bottom Layer w0.254: v4@132.679,46.571 132.709,46.6 132.705,46.604 v4(132.679,46.604)
  Bottom Layer w0.381: v4(118.7,46.5) 119.902,46.5 119.973,46.571 132.646,46.571 v4(132.679,46.604) v4@132.679,46.571
Isns-B_N: J1.14 U3.20 | length 44.5
  Top Layer w0.254: v2(111,46.75) 111.398,46.75 113.009,45.139 113.561,45.139
  Top Layer w0.381: 113.561,45.139 113.789,44.911 113.789,36.436 113.975,36.25 114.55,35.675 114.55,29.701 116.265,27.986 116.265,6.705 J1.14@117.51,5.46
Isns-B_P: J1.13 U3.18 | length 40.5
  Top Layer w0.254: U3.18@112.991,46.571 113.788,45.774
  Top Layer w0.381: 113.788,45.774 113.824,45.774 114.424,45.174 114.424,36.699 115.185,35.938 115.185,29.964 116.9,28.249 116.9,9.7 117.51,9.09 J1.13@117.51,8
Isns-C_N: J1.28 | length 63.1
  Top Layer w0.154: v4(119.319,45.863) v4(119.319,45.863)
  Top Layer w0.254: 118.259,44.803 v4(119.319,45.863)
  Top Layer w0.354: v4@98.486,45.485 98.486,6.515 J1.28@99.635,5.365
  Bottom Layer w0.381: v4(98.5,45.7) 98.796,45.7 98.931,45.565 117.802,45.565 118.063,45.826 119.328,45.826 119.328,45.854 v4(119.319,45.863)
Isns-C_P: J1.27 U3.13 | length 61.7
  Top Layer w0.254: U3.13@117.199,45.863 118.585,47.25 v4(119.319,47.25)
  Top Layer w0.354: v4@99.195,46.105 99.195,45.212 99.094,45.111 99.094,8.694 J1.27@99.759,8.029
  PWR w0.254: v4@119.27,47.202 v4(119.319,47.25)
  PWR w0.381: v4@119.304,47.265 v4(119.319,47.25)
  Bottom Layer w0.381: v4(99.195,46.2) 117.502,46.2 118.552,47.25 v4(119.319,47.25)
ISO-5V: C28.2 C38.2 D3.1 J4.2 R30.2 R53.2 U8.4 U10.8 Z2.1 | length 12.4
  Top Layer w0.2: D3.1@215.55,44.35 v1(216.949,44.35)
  Top Layer w0.254: v1(161.629,109.049) 163.054,109.049 R53.2@163.079,109.074 ; v1(162.129,110.5) 162.129,111.875 C38.2@162.279,112.025 ; U10.8@168.854,107.325 168.929,107.25 v1(170.379,107.25) ; R30.2@173.679,108.925 175.104,108.925 v1(175.129,108.9)
  Top Layer w0.75: v1(213.75,50.75) C28.2@213.75,52.25 ; Z2.1@216.25,50.835 217.185,51.77 U8.4@219.262,51.77
ISO-GND: C35.2 C38.1 C39.1 C40.1 C41.1 C42.2 J4.1 K1.2 K2.2 R1.1 R13.1 R27.1 R28.1 R29.1 R31.1 R50.1 R54.1 U8.3 U10.4 U11.2 Z2.2 | length 28.3
  Top Layer w0.2: R27.1@215.55,46.05 v1(216.949,46.05)
  Top Layer w0.254: R28.1@142.17,96.838 v7(142.17,98.05) ; v1(142.343,86.75) R50.1@142.343,88.1 ; R13.1@149.87,96.744 v7(149.87,98.195) ; v1(150.325,86.75) R29.1@150.325,88.2 ; R1.1@159.8,96.767 v1(161.555,96.767) ; v1(161.629,107.375) 163.079,107.375 R54.1@163.104,107.4 ; C42.2@163.894,99.75 163.911,99.767 v1(165.25,99.767) ; v1(163.979,110.5) C38.1@163.979,112.025 ; v1(164.629,103) 165.354,103 165.804,103.45 C40.1@167.054,103.45 ; v1(165.25,98.775) U11.2@166.779,98.775 ; v1(165.579,112) 166.679,112 U10.4@166.904,111.775 ; C41.1@171.879,96.925 171.954,97 v1(173.75,97) ; C39.1@172.829,105.5 v1(174.379,105.5) ; R31.1@173.679,110.5 v1(175.129,110.5)
  Top Layer w0.75: Z2.2@216.25,54.185 U8.3@219.137,54.185
  Top Layer w0.8: U8.3@219.137,54.185 U8.3@219.262,54.31
  Bottom Layer w0.6: U8.3@219.262,54.31 C35.2@221.069,54.31
  other v1: 218.346,74 211.765,74.178 215.16,74.178 222.474,74.178 225.869,74.178 208.579,74.355 212.992,75.589 216.701,75.767 220.096,75.767 224.329,75.767 227.656,75.9 210.928,77 214.428,77 222.265,77.178 225.765,77.178 218.556,77.355 212.678,78.589 216.492,78.767 219.992,78.767 224.015,78.767 227.515,78.767 210.928,80 214.323,80 222.265,80.178 225.66,80.178 218.242,80.355 212.782,81.589 216.492,81.767 219.887,81.767 224.119,81.767 227.446,81.9 210.719,83 214.219,83 222.056,83.178 225.556,83.178 218.346,83.355 212.469,84.589 216.282,84.767 219.782,84.767 223.806,84.767 227.306,84.767 210.719,86 214.114,86 222.056,86.178 225.451,86.178 218.032,86.355 212.573,87.589 216.282,87.767 219.678,87.767 223.91,87.767 227.237,87.9 210.509,89 214.009,89 207.428,89.178 221.846,89.178 225.346,89.178 218.137,89.355 212.259,90.589 216.073,90.767 219.573,90.767 223.596,90.767 227.096,90.767 210.509,92 213.905,92 207.323,92.178 221.846,92.178 225.242,92.178 217.823,92.355 212.364,93.589 205.782,93.767 216.073,93.767 219.469,93.767 223.701,93.767 227.028,93.9 210.3,95 213.8,95 203.719,95.178 207.219,95.178 221.637,95.178 225.137,95.178 217.928,95.355 208.341,96.767 211.841,96.767 215.864,96.767 219.364,96.767 223.387,96.767 226.887,96.767 201.977,96.9 205.477,96.9 178.486,98 181.986,98 210.3,98 200.323,98.178 203.719,98.178 214.114,98.178 217.614,98.178 221.637,98.178 225.032,98.178 207.255,98.311 180.236,99.411 183.736,99.411 187.445,99.589 198.364,99.589 208.55,99.589 195.178,99.767 202.178,99.767 212.469,99.767 215.864,99.767 223.492,99.767 191.5,99.9 205.505,99.9 219.819,99.9 226.819,99.9 178.591,101 182.091,101 185.591,101 210.3,101 197,101.1 189.195,101.178 193.428,101.178 200.114,101.178 203.614,101.178 207.114,101.178 221.428,101.178 224.928,101.178 214.323,101.355 217.65,101.489 180.341,102.411 183.841,102.411 187.445,102.589 191.573,102.589 195.073,102.589 198.678,102.589 208.655,102.589 201.864,102.767 205.364,102.767 212.259,102.767 215.759,102.767 219.678,102.767 223.178,102.767 226.678,102.767 178.591,104 182.091,104 185.695,104 189.195,104 193.009,104 196.614,104.178 200.114,104.178 203.595,104.178 210.509,104.178 221.428,104.178 224.823,104.178 207.045,104.311 214.009,104.355 217.509,104.355 180.341,105.411 183.841,105.411 187.55,105.589 191.364,105.589 194.864,105.589 205.155,105.589 208.655,105.589 198.469,105.767 201.864,105.767 212.259,105.767 223.282,105.767 216.109,105.9 219.609,105.9 226.609,105.9 178.695,107 182.195,107 185.695,107 189.3,107.178 193.114,107.178 196.719,107.178 200.114,107.178 203.405,107.178 206.905,107.178 210.509,107.178 214.114,107.178 217.614,107.178 221.219,107.178 224.719,107.178 180.445,108.411 183.945,108.411 187.55,108.589 191.364,108.589 194.864,108.589 205.155,108.589 208.655,108.589 198.573,108.767 212.364,108.767 215.969,108.767 219.469,108.767 222.969,108.767 226.469,108.767 201.9,108.9 178.695,110 182.195,110 185.8,110 189.509,110.178 193.009,110.178 196.509,110.178 200.009,110.178 203.509,110.178 207.009,110.178 210.614,110.178 214.219,110.178 217.719,110.178 221.219,110.178 180.445,111.411 183.945,111.411 187.655,111.589 191.155,111.589 194.655,111.589 198.259,111.767 201.759,111.767 205.364,111.767 208.864,111.767 212.469,111.767 215.969,111.767 219.469,111.767 178.8,113 182.3,113 185.8,113 189.405,113.178 192.905,113.178 196.509,113.178 200.009,113.178 203.509,113.178 207.009,113.178 210.614,113.178 214.114,113.178 217.614,113.178 180.55,114.589 184.05,114.589 187.655,114.589 191.155,114.589 194.655,114.589 198.364,114.767 201.759,114.767 205.259,114.767 208.864,114.767 212.364,114.767 215.864,114.767 219.364,114.767 178.8,116 182.3,116 185.8,116 189.509,116.178 192.905,116.178 196.405,116.178 199.905,116.178 203.405,116.178 207.114,116.355 210.509,116.355 214.009,116.355 180.655,117.589 184.05,117.589 187.55,117.589 190.945,117.589 194.445,117.589 197.841,117.589 201.341,117.589
LDO_5V: C41.2 R32.1 U11.5 | length 4.6
  Top Layer w0.5: U11.5@169.479,99.725 C41.2@171.879,99.725 C41.2@172.279,100.125 ; C41.2@171.929,100.125 R32.1@171.929,101.725
MTR-TEMP: J2.5 R14.1 U3.25 | length 98.3
  Top Layer w0.254: U3.25@110.516,44.096 111.2,43.412 v2(111.2,40.75) ; v4(130.9,40.8) 130.9,31.304 v4(131.05,31.154)
  Bottom Layer w0.254: v2(111.2,40.75) 130.85,40.75 v4(130.9,40.8) ; v4(131.05,31.154) 188.454,31.154 190.3,33 195.346,33 J2.5@195.5,33.154
NetC3_2: C3.2 JP2.2 R8.1 U2.5 | length 7.8
  Top Layer w0.254: JP2.2@123.879,59.821 JP2.2@123.4,60.3 123.4,59.179 123.879,58.7 C3.2@123.879,57.568 123.975,57.472 R8.1@123.975,55.5 124.025,55.55 U2.5@126.025,55.55
NetC21_2: C21.2 U4.1 | length 6.3
  Top Layer w0.254: U4.1@13.1,30.725 16.39,30.725 C21.2@18.5,32.835
NetC28_1: C28.1 L3.2 U8.1 | length 9.8
  Top Layer w0.75: C28.1@213.75,53.95 L3.2@213.75,59.25
  Top Layer w0.8: L3.2@214.787,59.39 U8.1@219.262,59.39
NetC30_2: C30.2 U4.6 | length 3.4
  Top Layer w0.254: U4.6@19.4,28.185 C30.2@22.85,28.185
NetC32_2: C32.2 U7.1 | length 6.3
  Top Layer w0.2: U7.1@13.35,54.505 13.35,54.554 16.704,54.554 C32.2@18.75,56.6
NetC39_2: C39.2 R32.2 U10.2 U10.5 | length 14.5
  Top Layer w0.254: v1(166.129,105.75) 166.904,106.525 U10.5@166.904,107.325 166.904,108.7 168.204,110 U10.2@168.204,111.775 ; v1(169.129,105.75) 170.879,105.75 C39.2@171.129,105.5 171.129,104.075 R32.2@171.929,103.275
  Bottom Layer w0.254: v1(166.129,105.75) v1(169.129,105.75)
NetC42_1: C42.1 U11.3 | length 3
  Top Layer w0.254: C42.1@163.894,98 164.068,97.825 U11.3@166.779,97.825
NetC50_2: C50.2 R40.1 U14.4 | length 6.1
  Top Layer w0.2: C50.2@49,6.3 49.05,6.3 49.825,7.075 49.825,8.5 51.267,9.942 U14.4@52.775,9.942
NetC52_2: C52.2 D6.1 K3.4 Q2.2 R43.2 R44.2 TVS3.1 U14.5 | length 15.4
  Top Layer w0.2: v1@51.2,1.75 51.2,8.851 51.677,9.327 U14.5@52.775,9.327 ; v1@54.751,1.75 C52.2@54.751,3 ; 57.91,1.45 57.975,1.515 ; v1@57.975,2.565 R43.2@57.975,4.265 ; TVS3.1@219.589,14.287 TVS3.1@219.594,14.292 v1(219.594,16.5)
  Top Layer w0.254: D6.1@215.047,9.25 v1(216.277,9.25)
  other v1: 27.25,1.7 30.75,1.7 34.25,1.7 37.75,1.7 41.25,1.7 44.75,1.7 51.2,1.7 54.751,1.7 62.25,1.7 65.75,1.7 69.25,1.7 72.75,1.7 76.25,1.7 79.75,1.7 83.25,1.7 86.75,1.7 90.25,1.7 93.75,1.7 96,1.7 98.4,1.7 100.925,1.7 103.5,1.7 105.9,1.7 108.6,1.7 111.1,1.7 113.75,1.7 116.2,1.7 118.875,1.7 123.75,1.7 126.25,1.7 129,1.7 131.5,1.7 135.75,1.7 139.25,1.7 141.5,1.7 144,1.7 146.75,1.7 149.25,1.7 151.779,1.7 154.4,1.7 156.875,1.7 159.25,1.7 163.75,1.7 167.25,1.7 170.75,1.7 174.25,1.7 177.75,1.7 181.25,1.7 184.75,1.7 188.25,1.7 191.75,1.7 195.25,1.7 198.75,1.7 202.25,1.7 205.75,1.7 209.25,1.7 212.75,1.7 216.25,1.7 219.75,1.7 11.75,1.75 13.5,1.75 15.25,1.75 17,1.75 19,1.75 20.75,1.75 57.91,2.5 176,3.339 179.5,3.339 183.105,3.339 186.5,3.339 190,3.339 193.605,3.339 197,3.339 200.5,3.339 207.5,3.339 211,3.339 214.5,3.339 218,3.339 177.75,4.75 181.25,4.75 184.75,4.75 188.25,4.75 191.75,4.75 195.25,4.75 198.75,4.75 202.25,4.75 203.5,6.25 179.5,6.339 183,6.339 186.605,6.339 190,6.339 193.5,6.339 197.105,6.339 200.5,6.339 207.532,6.339 188.25,7.75 191.75,7.75 195.25,7.75 198.75,7.75 202.25,7.75 205.75,7.75 203.5,9.25 190,9.339 193.5,9.339 197.105,9.339 200.5,9.339 207.532,9.339
NetC53_2: C53.2 U14.12 | length 3.1
  Top Layer w0.2: U14.12@57.225,11.787 58.288,11.787 C53.2@59.75,13.25
NetC57_2: C57.2 U7.6 | length 3.6
  Top Layer w0.2: U7.6@19.65,51.965 23.11,51.965 C57.2@23.225,51.85
NetD1_2: D1.2 R19.2 | length 1.6
  Top Layer w0.2: D1.2@41.9,26.915 41.925,26.89 R19.2@41.925,25.33
NetD3_2: D3.2 R27.2 | length 1.7
  Top Layer w0.2: D3.2@213.95,44.35 214,44.4 R27.2@214,46.05
NetD4_2: D4.2 R34.2 | length 1.7
  Top Layer w0.254: D4.2@67.675,102.05 67.7,102.075 R34.2@67.7,103.75
NetD5_2: D5.2 R35.2 | length 1.8
  Top Layer w0.254: D5.2@67.65,107.5 67.675,107.475 R35.2@67.675,105.75